# Altium PCB 电解模块主控板_V1.1_ZM_20211015.PcbDoc (part 2 of 4) (continued)
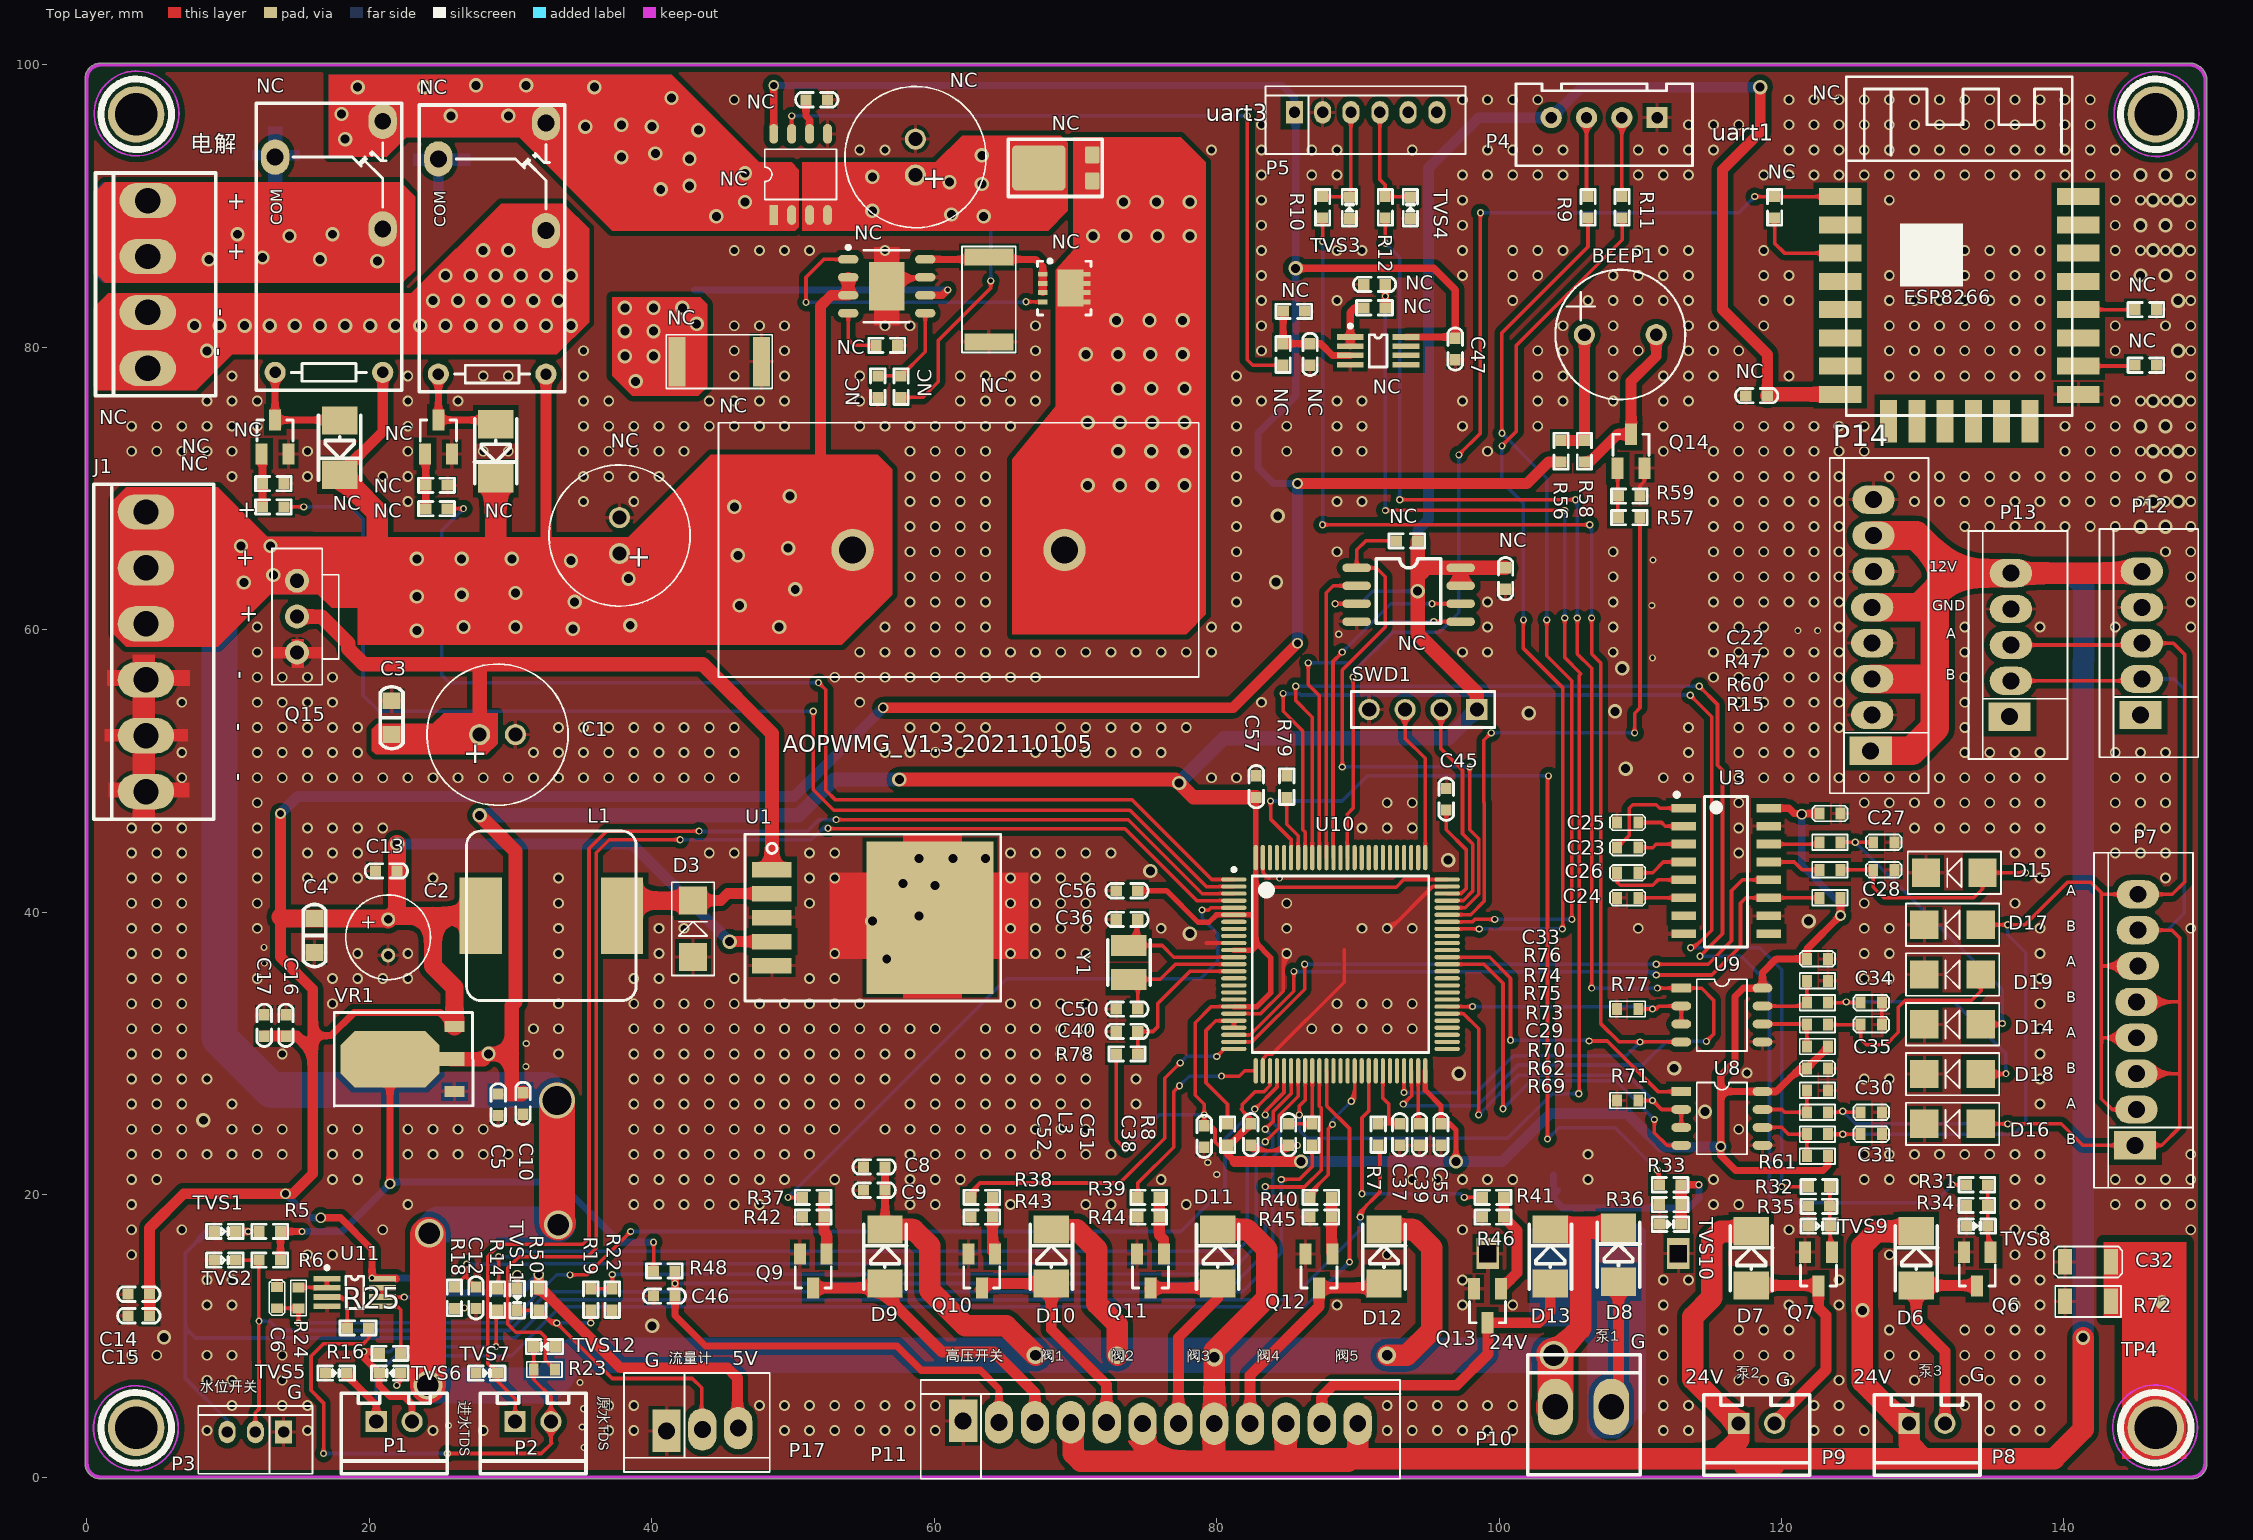
[diagram p0: Top Layer view]
## Nets (pads, with @x,y where several pads share a name; then routed paths per layer and width w, separated by ;. In a path a pad name is that pad's centre, name@x,y a point inside that pad or via, vN(x,y) a via of type N, cw(c..) or ccw(c..) an arc to the next point about the centre after c; other vN are vias at no path point) (continued)
  other v2: 5.461,9.906 40.03,10.719 8.255,25.273 114.579,25.883 97.155,28.575 112.395,28.956 56.642,36.703 78.105,38.481 55.626,39.37 121.92,39.37 58.928,39.751 60.071,41.91 57.785,42.037 75.311,42.926 96.393,43.688 58.928,43.815 61.341,43.815 63.627,43.815 108.966,50.165 102.108,54.102 108.204,54.229 108.712,57.277 84.201,63.373 145.415,67.31 147.193,67.31 84.328,68.072 146.304,69.088 148.082,69.088 147.193,70.866 146.304,72.644 148.082,72.644 145.415,74.422 147.193,74.422 146.304,76.2 148.082,76.2 148.082,79.756 148.082,83.312 145.415,85.09 147.193,85.09 146.304,86.868 148.082,86.868 145.415,88.646 147.193,88.646 146.304,90.424 148.082,90.424 145.415,92.202 147.193,92.202
  other v3: 35.204,2.108 35.077,3.556 25.603,3.658 35.179,4.851 34.925,6.706 80.01,21.438 79.375,22.276 31.09,29.083 31.115,30.709 12.573,36.398 12.548,37.516 84.455,42.418 110.871,58.014 88.646,59.69 121.158,59.944 122.555,59.944 110.82,61.722 110.896,64.948
J3-2: C28.1 D15.1 R60.2 | length 19.9
  Top Layer w0.254: R60.2@124.182,43.011 C28.1@126.492,43.011 126.492,41.783 127.254,41.021 133.604,41.021 134.239,41.656 ; R60.2@124.34,42.853 cw(c124.72,42.472) 124.72,43.011 cw(c124.72,43.549) R60.2@124.34,43.168 ; C28.1@126.334,42.778 cw(c125.954,42.397) 126.492,42.397 cw(c127.03,42.397) C28.1@126.65,42.778 ; C28.1@126.334,42.853 ccw(c125.954,42.472) 125.954,43.011 ccw(c125.954,43.549) C28.1@126.334,43.168 ; D15.1@134.009,41.957 cw(c133.927,41.656) 134.239,41.656 ; D15.1@134.469,41.957 ccw(c134.551,41.656) 134.239,41.656 ; v3@137.197,42.709 ccw(c136.98,42.492) 136.98,42.799 ccw(c136.98,43.106) v3@137.197,42.889 ; v3(137.287,42.799) D15.1@134.239,42.799 134.239,41.656
J3-3: C27.1 D14.1 R47.2 | length 27.9
  Top Layer w0.254: R47.2@124.182,44.958 C27.1@126.492,44.958 ; R47.2@124.34,44.8 cw(c124.72,44.42) 124.72,44.958 cw(c124.72,45.496) R47.2@124.34,45.116 ; v3@125.132,44.868 ccw(c124.915,44.651) 124.915,44.958 ccw(c124.915,45.265) v3@125.132,45.048 ; v3@125.312,44.868 cw(c125.529,44.651) 125.529,44.958 cw(c125.529,45.265) v3@125.312,45.048 ; C27.1@126.334,44.8 ccw(c125.954,44.42) 125.954,44.958 ccw(c125.954,45.496) C27.1@126.334,45.116 ; D14.1@134.112,32.067 v3@135.572,32.067 ; D14.1@134.657,31.774 cw(c135.148,31.511) 135.148,32.067 cw(c135.148,32.624) D14.1@134.657,32.361 ; D14.1@134.881,31.654 cw(c135.572,31.282) v3@135.572,32.067 ; D14.1@134.881,32.481 ccw(c135.572,32.853) v3@135.572,32.067 ; 135.176,32.067 ccw(c135.176,32.591) v3@135.546,32.221 ; v3(135.636,32.131) v3@135.572,32.067
  Bottom Layer w0.254: v3@125.222,44.831 cw(c125.222,44.524) 125.439,44.741 cw(c125.656,44.958) v3@125.349,44.958 ; v3(125.222,44.958) 135.636,34.544 v3(135.636,32.131) ; v3@135.546,32.221 ccw(c135.329,32.438) 135.636,32.438 ccw(c135.943,32.438) v3@135.726,32.221
J3-4: C31.1 D17.1 P7.2 P7.4 P7.6 P7.8 P12.3 P13.3 R69.2 | length 113.4
  Top Layer w0.254: R69.2@123.293,24.285 v3(124.333,24.285) C31.1@125.603,24.285 ; R69.2@123.451,24.128 cw(c123.831,23.747) 123.831,24.285 cw(c123.831,24.824) R69.2@123.451,24.443 ; v3@124.243,24.195 ccw(c124.026,23.979) 124.026,24.285 ccw(c124.026,24.592) v3@124.243,24.375 ; v3@124.423,24.195 cw(c124.64,23.979) 124.64,24.285 cw(c124.64,24.592) v3@124.423,24.375 ; C31.1@125.445,24.128 ccw(c125.065,23.747) 125.065,24.285 ccw(c125.065,24.824) C31.1@125.445,24.443 ; D17.1@134.112,39.116 v3(136.017,39.116) 137.236,39.116 140.233,42.113 141.935,42.113 142.646,41.402 142.646,31.013 ; v3@135.927,39.026 ccw(c135.71,38.809) 135.71,39.116 ccw(c135.71,39.423) v3@135.927,39.206 ; v3@136.107,39.026 cw(c136.324,38.809) 136.324,39.116 cw(c136.324,39.423) v3@136.107,39.206 ; P13.3@136.244,58.928 145.388,58.928 P12.3@145.515,59.055 147.752,59.055 148.565,58.242 148.565,42.164 147.676,41.275 P7.8@145.234,41.275 142.773,41.275 ; P7.2@143.809,25.75 ccw(c143.408,25.611) 143.408,26.035 ; P7.2@143.809,26.32 cw(c143.408,26.459) 143.408,26.035 ; P7.4@143.968,30.55 ccw(c142.748,29.515) 142.748,31.115 ; P7.4@143.968,31.68 cw(c142.748,32.715) 142.748,31.115 ; P7.6@144.102,35.593 ccw(c142.697,34.256) 142.697,36.195 ; P7.6@144.102,36.797 cw(c142.697,38.134) 142.697,36.195 ; P7.4@144.162,30.714 ccw(c143.297,29.98) 143.297,31.115 ccw(c143.297,32.25) P7.4@144.162,31.516 ; P7.6@144.286,35.768 ccw(c143.29,34.82) 143.29,36.195 ccw(c143.29,37.57) P7.6@144.286,36.622 ; P7.2@145.134,26.035 143.408,26.035 ; P7.4@145.134,31.115 142.748,31.115 ; P7.6@145.234,36.195 142.697,36.195 ; 142.646,31.013 142.748,31.115 ; 142.646,31.013 142.646,26.797 143.408,26.035
  Bottom Layer w0.254: v3(124.333,24.285) 136.426,24.285 137.287,25.146 137.287,37.135 136.017,38.405 v3(136.017,39.116) ; v3@124.423,24.195 cw(c124.64,23.979) 124.64,24.285 cw(c124.64,24.592) v3@124.423,24.375 ; v3@135.927,39.026 cw(c135.71,38.809) 136.017,38.809 cw(c136.324,38.809) v3@136.107,39.026
J3-7: C35.1 D19.1 R75.2 | length 19.2
  Top Layer w0.254: R75.2@123.293,32.046 C35.1@125.603,32.046 125.603,31.03 126.026,30.607 127.381,30.607 128.27,31.496 128.27,33.274 128.778,33.782 133.477,33.782 134.112,34.417 ; R75.2@123.451,31.889 cw(c123.831,31.508) 123.831,32.046 cw(c123.831,32.585) R75.2@123.451,32.204 ; C35.1@125.445,31.814 cw(c125.065,31.433) 125.603,31.433 cw(c126.141,31.433) C35.1@125.761,31.814 ; C35.1@125.445,31.889 ccw(c125.065,31.508) 125.065,32.046 ccw(c125.065,32.585) C35.1@125.445,32.204 ; D19.1@133.86,34.756 cw(c133.758,34.417) 134.112,34.417 ; D19.1@134.112,35.592 134.112,34.417 ; D19.1@134.364,34.756 ccw(c134.466,34.417) 134.112,34.417
J3-8: C34.1 D18.1 R74.2 | length 26.2
  Top Layer w0.254: R74.2@123.293,33.599 C34.1@125.603,33.599 ; R74.2@123.451,33.441 cw(c123.831,33.06) 123.831,33.599 cw(c123.831,34.137) R74.2@123.451,33.756 ; 124.144,33.599 ccw(c124.144,34.098) v3@124.497,33.745 ; v3@124.677,33.745 ccw(c125.03,34.098) 125.03,33.599 ; C34.1@125.445,33.441 ccw(c125.065,33.06) 125.065,33.599 ccw(c125.065,34.137) C34.1@125.445,33.756 ; D18.1@134.112,28.543 v3@135.858,28.543 ; D18.1@134.607,28.172 cw(c135.35,27.615) 135.35,28.543 cw(c135.35,29.472) D18.1@134.607,28.915 ; D18.1@134.81,28.019 cw(c135.858,27.233) v3@135.858,28.543 ; D18.1@134.81,29.067 ccw(c135.858,29.853) v3@135.858,28.543 ; 135.507,28.543 ccw(c135.507,28.958) v3@135.8,28.665 ; v3(135.89,28.575) v3@135.858,28.543
  Bottom Layer w0.254: v3(124.587,33.655) 132.207,33.655 135.89,29.972 v3(135.89,28.575) ; v3@124.677,33.565 cw(c124.894,33.348) 124.894,33.655 cw(c124.894,33.962) v3@124.677,33.745 ; v3@135.8,28.665 ccw(c135.583,28.882) 135.89,28.882 ccw(c136.197,28.882) v3@135.98,28.665
J3-9: C30.1 D16.1 P7.1 P7.3 P7.5 P7.7 P12.2 P13.2 R62.2 | length 101.9
  Top Layer w0.254: R62.2@123.293,25.837 C30.1@125.603,25.837 ; R62.2@123.451,25.68 cw(c123.831,25.299) 123.831,25.837 cw(c123.831,26.376) R62.2@123.451,25.995 ; 123.856,25.837 ccw(c123.856,26.385) v3@124.243,25.998 ; v3@124.423,25.998 ccw(c124.81,26.385) 124.81,25.837 ; C30.1@125.445,25.68 ccw(c125.065,25.299) 125.065,25.837 ccw(c125.065,26.376) C30.1@125.445,25.995 ; D16.1@134.112,25.019 v3(136.017,25.019) 139.802,25.019 141.326,23.495 P7.1@145.034,23.495 146.914,23.495 ; v3@135.927,24.929 ccw(c135.71,24.712) 135.71,25.019 ccw(c135.71,25.326) v3@135.927,25.109 ; v3@136.107,24.929 cw(c136.324,24.712) 136.324,25.019 cw(c136.324,25.326) v3@136.107,25.109 ; P13.2@136.244,56.388 145.388,56.388 P12.2@145.515,56.515 ; P7.3@145.134,28.575 148.158,28.575 148.184,28.6 ; P7.5@145.134,33.655 148.158,33.655 148.184,33.63 ; P7.7@145.234,38.735 147.65,38.735 148.184,38.202 148.184,33.63 ; P7.3@146.072,28.137 cw(c147.128,27.081) 147.128,28.575 cw(c147.128,30.069) P7.3@146.072,29.013 ; P7.5@146.072,33.217 cw(c147.128,32.161) 147.128,33.655 cw(c147.128,35.149) P7.5@146.072,34.093 ; P7.3@146.251,27.958 cw(c147.742,26.467) 147.742,28.575 cw(c147.742,30.683) P7.3@146.251,29.192 ; P7.5@146.251,33.038 cw(c147.742,31.547) 147.742,33.655 cw(c147.742,35.763) P7.5@146.251,34.272 ; P7.1@146.323,23.121 cw(c146.914,22.841) 146.914,23.495 ; P7.1@146.323,23.869 ccw(c146.914,24.149) 146.914,23.495 ; 146.914,23.495 148.184,24.765 148.184,28.6 ; 148.184,28.6 148.184,33.63
  Bottom Layer w0.254: v3@124.333,25.781 cw(c124.333,25.474) 124.55,25.691 cw(c124.767,25.908) v3@124.46,25.908 ; v3(124.333,25.908) 125.222,25.019 v3(136.017,25.019) ; v3@135.927,24.929 ccw(c135.71,24.712) 135.71,25.019 ccw(c135.71,25.326) v3@135.927,25.109 ; P7.7@145.234,38.735 147.32,38.735 148.514,39.929 148.514,55.804 147.803,56.515 P12.2@145.515,56.515
LOW: P3.3 R5.2 R7.1 TVS1.2 | length 118
  Top Layer w0.254: v3@11.52,17.309 cw(c11.737,17.092) 11.737,17.399 cw(c11.737,17.706) v3@11.52,17.489 ; R5.2@11.965,17.253 ccw(c11.684,17.055) 11.684,17.399 ; R5.2@11.965,17.545 cw(c11.684,17.743) 11.684,17.399 ; R5.2@12.192,17.399 11.684,17.399 ; v3@90.043,18.415 cw(c90.656,18.415) 90.223,18.849 ; v3@90.08,18.505 ccw(c89.863,18.722) 90.17,18.722 ccw(c90.477,18.722) v3@90.26,18.505 ; v3(90.17,18.415) 90.17,18.796 91.567,20.193 91.567,23.368 R7.1@91.44,23.495 ; v3@90.297,18.415 cw(c91.523,18.415) 90.656,19.282 ; R7.1@91.26,23.296 cw(c90.52,22.556) 91.567,22.556
  Top Layer w0.508: TVS1.2@10.541,17.399 v3(11.43,17.399)
  Bottom Layer w0.254: 7.97,16.86 6.985,15.875 6.985,10.566 ; P3.3@9.97,3.2 9.97,4 6.985,6.985 6.985,10.566 ; v3@90.08,18.325 cw(c89.863,18.108) 90.17,18.108 cw(c90.477,18.108) v3@90.26,18.325 ; v3(90.17,18.415) 90.17,17.526 85.217,12.573 33.045,12.573 30.328,9.855 7.696,9.855 6.985,10.566
  Bottom Layer w0.508: 7.97,16.86 8.509,17.399 v3(11.43,17.399)
NetBEEP1_1: BEEP1.1 R56.1 R58.2 | length 10.4
  Top Layer w0.762: R56.1@104.394,73.406 R58.2@106.045,73.406 BEEP1.1@106.045,80.772 ; BEEP1.1@105.784,80.638 cw(c105.154,80.008) 106.045,80.008 cw(c106.936,80.008) BEEP1.1@106.306,80.638
NetBEEP1_2: BEEP1.2 Q14.3 R58.1 | length 13.9
  Top Layer w0.762: R58.1@106.045,71.882 106.426,71.882 108.388,73.844 Q14.3@109.347,73.844 109.347,77.597 111.125,79.375 BEEP1.2@111.125,80.772 ; R58.1@106.045,71.901 ccw(c106.045,72.867) 106.728,72.184 ; BEEP1.2@110.864,80.638 cw(c110.234,80.008) 111.125,80.008 cw(c112.016,80.008) BEEP1.2@111.386,80.638
NetC6_2: C6.2 R24.1 U10.29 | length 88.3
  Top Layer w0.254: C6.2@13.462,11.962 14.962,11.962 R24.1@14.986,11.938 v3(14.986,10.922) ; C6.2@13.695,11.804 cw(c14.075,11.424) 14.075,11.962 cw(c14.075,12.5) C6.2@13.695,12.12 ; 14.315,11.962 cw(c14.315,11.342) R24.1@14.753,11.78 ; 14.431,11.962 ccw(c14.431,12.418) R24.1@14.753,12.096 ; R24.1@14.828,11.78 cw(c14.448,11.4) 14.986,11.4 cw(c15.524,11.4) R24.1@15.144,11.78 ; v3@14.896,11.012 ccw(c14.679,11.229) 14.986,11.229 ccw(c15.293,11.229) v3@15.076,11.012 ; v3(34.214,14.326) 35.433,14.326 v3(38.506,17.399) ; v3@34.304,14.236 cw(c34.52,14.019) 34.52,14.326 cw(c34.52,14.632) v3@34.304,14.415 ; v3@38.379,17.399 cw(c38.073,17.399) 38.29,17.182 cw(c38.506,16.965) v3@38.506,17.272 ; v3(82.702,26.06) 84.273,27.631 U10.29@84.273,28.772 ; v3@82.702,26.187 ccw(c82.702,26.494) 82.919,26.277 ccw(c83.136,26.06) v3@82.829,26.06
  Bottom Layer w0.254: v3(14.986,10.922) 29.883,10.922 33.287,14.326 v3(34.214,14.326) ; v3@15.076,10.832 cw(c15.293,10.615) 15.293,10.922 cw(c15.293,11.229) v3@15.076,11.012 ; v3@34.124,14.236 ccw(c33.907,14.019) 33.907,14.326 ccw(c33.907,14.632) v3@34.124,14.415 ; v3(38.506,17.399) 77.47,17.399 80.594,20.523 80.594,23.952 v3(82.702,26.06) ; v3@38.596,17.309 cw(c38.813,17.092) 38.813,17.399 cw(c38.813,17.706) v3@38.596,17.489 ; v3@82.575,26.06 cw(c82.269,26.06) 82.486,25.844 cw(c82.702,25.627) v3@82.702,25.933
NetC12_2: C12.2 R18.1 U10.31 | length 74.7
  Top Layer w0.254: R18.1@26.035,13.462 26.899,14.326 ; v3@26.809,14.998 cw(c26.592,14.781) 26.899,14.781 cw(c27.205,14.781) v3@26.988,14.998 ; v3(26.899,15.088) 26.899,14.326 ; C12.2@27.559,13.462 26.899,14.122 26.899,14.326 ; v3(83.439,24.638) 84.023,25.222 84.023,25.908 85.273,27.158 U10.31@85.273,28.772 ; v3@83.439,24.765 ccw(c83.439,25.072) 83.656,24.855 ccw(c83.873,24.638) v3@83.566,24.638
  Bottom Layer w0.254: v3(26.899,15.088) 31.471,15.088 31.496,15.113 80.518,15.113 82.804,17.399 82.804,22.225 83.972,23.393 83.972,24.105 v3(83.439,24.638) ; v3@26.988,14.998 cw(c27.205,14.781) 27.205,15.088 cw(c27.205,15.394) v3@26.988,15.177 ; v3@83.439,24.511 cw(c83.439,24.204) 83.656,24.421 cw(c83.873,24.638) v3@83.566,24.638
NetC23_1: C23.1 U3.1 | length 8.7
  Top Layer w0.254: C23.1@108.355,44.577 109.22,45.442 109.22,47.371 109.474,47.625 111.125,47.625 111.379,47.371 U3.1@113.068,47.371 ; C23.1@108.355,44.875 ccw(c108.355,45.594) 108.864,45.086 ; C23.1@108.578,44.652 cw(c108.935,44.652) C23.1@108.683,44.905 ; U3.1@112.384,47.245 ccw(c112.08,46.942) 112.08,47.371 ccw(c112.08,47.8) U3.1@112.384,47.497
NetC23_2: C23.2 U3.3 | length 4.8
  Top Layer w0.254: C23.2@109.855,44.577 110.871,44.577 111.125,44.831 U3.3@113.068,44.831 ; C23.2@110.013,44.419 cw(c110.393,44.039) 110.393,44.577 cw(c110.393,45.115) C23.2@110.013,44.735 ; U3.3@112.384,44.705 ccw(c112.08,44.402) 112.08,44.831 ccw(c112.08,45.26) U3.3@112.384,44.957
NetC24_1: C24.1 U3.6 | length 4.7
  Top Layer w0.254: C24.1@109.855,41.021 U3.6@113.068,41.021 ; C24.1@110.013,40.863 cw(c110.393,40.483) 110.393,41.021 cw(c110.393,41.559) C24.1@110.013,41.179 ; U3.6@112.384,40.895 ccw(c112.08,40.592) 112.08,41.021 ccw(c112.08,41.45) U3.6@112.384,41.147
NetC25_1: C25.1 U3.2 | length 4.8
  Top Layer w0.254: C25.1@109.855,46.355 111.506,46.355 111.76,46.101 U3.2@113.068,46.101 ; C25.1@110.013,46.197 cw(c110.393,45.817) 110.393,46.355 cw(c110.393,46.893) C25.1@110.013,46.513 ; U3.2@112.384,45.975 ccw(c112.08,45.672) 112.08,46.101 ccw(c112.08,46.53) U3.2@112.384,46.227
NetC26_1: C26.1 U3.5 | length 7.1
  Top Layer w0.254: C26.1@108.197,42.566 cw(c107.817,42.186) 108.355,42.186 cw(c108.893,42.186) C26.1@108.513,42.566 ; C26.1@108.355,42.799 108.355,42.14 108.585,41.91 110.871,41.91 111.252,42.291 U3.5@113.068,42.291 ; U3.5@112.384,42.165 ccw(c112.08,41.862) 112.08,42.291 ccw(c112.08,42.72) U3.5@112.384,42.417
NetC26_2: C26.2 U3.4 | length 5
  Top Layer w0.254: C26.2@109.855,42.799 110.871,42.799 111.633,43.561 U3.4@113.068,43.561 ; C26.2@110.013,42.641 cw(c110.393,42.261) 110.393,42.799 cw(c110.393,43.337) C26.2@110.013,42.957 ; U3.4@112.384,43.435 ccw(c112.08,43.132) 112.08,43.561 ccw(c112.08,43.99) U3.4@112.384,43.687
NetC32_2: C32.2 pad.0@146.5,3.5 R72.2 TP4.1
NetC36_1: C36.1 U10.12 Y1.2 | length 13.3
  Top Layer w0.254: Y1.2@73.846,38.09 ccw(c72.457,39.479) C36.1@74.422,39.479 ; Y1.2@74.026,37.91 ccw(c73.07,38.866) 74.422,38.866 ; C36.1@74.242,39.317 cw(c73.809,38.884) 74.422,38.884 cw(c75.035,38.884) C36.1@74.602,39.317 ; 74.422,38.827 ccw(c75.465,38.827) Y1.2@74.728,38.09 ; C36.1@74.422,39.497 74.422,37.776 74.549,37.649 76.143,37.649 76.97,36.822 U10.12@81.223,36.822
NetC37_2: C37.2 R7.2 U10.44 | length 7.4
  Top Layer w0.254: R7.2@91.44,25.019 92.202,25.019 ; R7.2@91.62,24.839 cw(c92.053,24.406) 92.053,25.019 cw(c92.053,25.632) R7.2@91.62,25.199 ; U10.44@91.773,28.772 91.773,26.845 92.202,26.416 92.202,25.019 ; C37.2@92.784,24.839 ccw(c92.351,24.406) 92.351,25.019 ccw(c92.351,25.632) C37.2@92.784,25.199 ; C37.2@92.964,25.019 92.202,25.019
NetC38_2: C38.2 R8.2 U10.34 | length 8.3
  Top Layer w0.254: C38.2@85.09,25.019 R8.2@86.741,25.019 86.773,25.051 U10.34@86.773,28.772 ; C38.2@85.27,24.839 cw(c85.703,24.406) 85.703,25.019 cw(c85.703,25.632) C38.2@85.27,25.199 ; R8.2@86.561,24.839 ccw(c86.128,24.406) 86.128,25.019 ccw(c86.128,25.632) R8.2@86.561,25.199 ; R8.2@86.561,25.218 ccw(c86.051,25.728) 86.773,25.728 ; 86.773,25.574 ccw(c87.277,25.574) R8.2@86.921,25.218
NetC39_2: C39.2 U10.49 | length 4.8
  Top Layer w0.254: C39.2@94.181,25.218 ccw(c93.96,25.439) 94.273,25.439 ; 94.273,25.864 ccw(c95.187,25.864) C39.2@94.541,25.218 ; U10.49@94.273,28.772 94.273,25.107 C39.2@94.361,25.019
NetC40_2: C40.2 R78.1 U10.14 | length 14
  Top Layer w0.254: R78.1@74.242,30.152 ccw(c73.809,30.585) 74.422,30.585 ccw(c75.035,30.585) R78.1@74.602,30.152 ; C40.2@74.242,31.38 cw(c73.809,30.946) 74.422,30.946 cw(c75.035,30.946) C40.2@74.602,31.38 ; R78.1@74.422,29.972 C40.2@74.422,31.559 75.501,31.559 75.819,31.877 75.819,33.528 78.113,35.822 U10.14@81.223,35.822 ; C40.2@74.621,31.38 cw(c75.054,30.946) 75.054,31.559 cw(c75.054,32.173) C40.2@74.621,31.739
NetC45_2: C45.2 U10.73 | length 9.1
  Top Layer w0.254: C45.2@96.086,47.045 cw(c95.653,46.612) 96.266,46.612 cw(c96.879,46.612) C45.2@96.446,47.045 ; C45.2@96.266,47.244 96.266,45.847 97.663,44.45 97.663,41.656 97.329,41.322 U10.73@96.323,41.322 ; U10.73@97.073,41.345 ccw(c97.073,42.019) 97.549,41.542
NetC46_2: C46.2 P11.2 R48.1 U10.30 | length 88.5
  Top Layer w0.254: v3(83.439,25.654) 83.439,25.899 84.773,27.233 U10.30@84.773,28.772
  Top Layer w0.508: R48.1@41.656,14.605 v3(41.656,13.716) C46.2@41.656,12.827 41.656,11.455 43.815,9.296 57.353,9.296 59.08,7.569 63.271,7.569 64.592,6.248 P11.2@64.592,3.888
  Bottom Layer w0.254: v3(41.656,13.716) 81.28,13.716 83.972,16.408 83.972,22.631 84.455,23.114 84.455,24.638 v3(83.439,25.654) ; v3@41.746,13.626 cw(c41.963,13.409) 41.963,13.716 cw(c41.963,14.023) v3@41.746,13.806 ; v3@83.439,25.527 cw(c83.439,25.22) 83.656,25.437 cw(c83.873,25.654) v3@83.566,25.654
NetC50_1: C50.1 U10.13 Y1.1 | length 11.2
  Top Layer w0.254: C50.1@74.242,33.327 ccw(c73.809,33.76) 74.422,33.76 ccw(c75.035,33.76) C50.1@74.602,33.327 ; C50.1@74.422,33.147 74.422,34.614 Y1.1@73.787,35.249 76.016,35.249 77.089,36.322 U10.13@81.223,36.322
NetD3_2: D3.2 L1.1 U1.2 | length 16.9
  Top Layer w0.762: L1.1@37.893,39.751 L1.1@38.972,40.83 ; D3.2@42.926,40.83 44.894,40.83 45.388,41.324 U1.2@48.514,41.324 ; D3.2@43.364,40.392 cw(c44.42,39.336) 44.42,40.83 cw(c44.42,42.324) D3.2@43.364,41.268
  Top Layer w1.27: L1.1@38.505,40.339 cw(c39.689,39.155) 39.689,40.83 ; L1.1@38.505,41.563 ccw(c40.273,43.331) 40.273,40.83 ; L1.1@38.972,40.83 D3.2@42.926,40.83
NetD6_1: D6.1 P8.2 Q6.3 | length 21
  Top Layer w0.762: D6.1@129.102,13.141 cw(c128.046,12.085) 129.54,12.085 cw(c131.034,12.085) D6.1@129.978,13.141 ; D6.1@130.228,13.141 cw(c131.284,12.085) 131.284,13.579 cw(c131.284,15.073) D6.1@130.228,14.017 ; P8.2@131.311,4.071 ccw(c130.681,4.701) 131.572,4.701 ccw(c132.463,4.701) P8.2@131.833,4.071 ; P8.2@131.572,3.81 131.572,8.915 129.54,10.947 D6.1@129.54,13.579 133.811,13.579 Q6.3@133.858,13.532
NetD7_1: D7.1 P9.2 Q7.3 | length 18.6
  Top Layer w0.762: D7.1@117.856,13.579 122.571,13.579 Q7.3@122.618,13.532 122.618,12.002 123.158,11.462 123.158,7.588 119.507,3.937 P9.2@119.507,3.81 ; D7.1@118.544,13.141 cw(c119.6,12.085) 119.6,13.579 cw(c119.6,15.073) D7.1@118.544,14.017
NetD8_1: D8.1 P10.2 Q8.3 | length 13
  Top Layer w0.762: P10.2@107.315,3.937 107.315,5.182 108.458,6.325 D8.1@108.458,13.833 D8.1@108.632,13.659 ; D8.1@108.02,13.395 cw(c106.964,12.339) 108.458,12.339 cw(c109.952,12.339) D8.1@108.896,13.395
NetL3_2: L3.2 U10.21 U10.22 | length 11
  Top Layer w0.254: L3.2@80.592,25.218 ccw(c80.159,25.651) 80.772,25.651 ccw(c81.385,25.651) L3.2@80.952,25.218 ; L3.2@80.772,25.019 80.772,26.416 79.248,27.94 79.248,31.623 79.947,32.322 U10.21@81.223,32.322 U10.22@81.223,31.822
NetNC_1: NC.1@50.927,97.536 NC.6@51.181,95.123 | length 2.5
  Top Layer w0.508: NC.1@50.927,97.536 50.927,96.393 51.181,96.139 NC.6@51.181,95.123
NetNC_1: NC.1@84.709,80.264 NC.1@86.614,80.264 NC.2@84.709,82.55 NC.3@89.465,79.431 | length 7.4
  Top Layer w0.508: NC.2@84.709,82.55 NC.1@84.709,80.264 NC.1@86.614,80.264 87.376,80.264 88.209,79.431 NC.3@89.465,79.431
NetNC_1: NC.1@17.907,74.813 NC.3@13.335,74.86 NC.4@13.335,78.232 | length 8
  Top Layer w0.508: NC.4@13.335,78.232 NC.3@13.335,74.86 17.86,74.86 NC.1@17.907,74.813
NetNC_1: NC.1@28.956,74.559 NC.3@24.892,74.86 NC.4@24.892,78.105 | length 7.4
  Top Layer w0.508: NC.4@24.892,78.105 NC.3@24.892,74.86 28.655,74.86 NC.1@28.956,74.559
NetNC_1: NC.1@20.955,88.392 NC.3@4.318,86.435 NC.4@4.318,90.395
  other v2: 20.574,86.106 8.636,86.233 16.51,86.233 12.446,86.36 14.351,87.884 10.668,88.011 17.399,88.011
NetNC_1: NC.1@4.318,78.515 NC.1@32.512,88.265 NC.2@4.318,82.475
  other v2: 8.509,79.756 7.62,81.534 9.398,81.534 11.176,81.534 12.954,81.534 14.732,81.534 16.51,81.534 18.288,81.534 20.066,81.534 21.844,81.534 23.622,81.534 25.4,81.534 27.178,81.534 28.956,81.534 30.734,81.534 32.512,81.534 34.29,81.534 24.511,83.312 26.289,83.312 28.067,83.312 29.845,83.312 31.623,83.312 33.401,83.312 25.4,85.09 27.178,85.09 28.956,85.09 30.734,85.09 32.512,85.09 34.29,85.09 28.067,86.868 29.845,86.868
NetNC_1: NC.1@12.385,72.46 NC.2@12.446,68.707 NC.2@12.446,70.358 | length 4.3
  Top Layer w0.508: NC.1@12.264,72.014 cw(c11.825,71.575) 12.446,71.575 ; NC.1@12.385,72.46 12.446,72.399 NC.2@12.446,70.358 NC.2@12.446,68.707
NetNC_1: NC.1@23.942,72.46 NC.2@24.003,68.58 NC.2@24.003,70.231 | length 4.4
  Top Layer w0.508: NC.1@23.821,72.014 cw(c23.382,71.575) 24.003,71.575 ; NC.1@23.942,72.46 24.003,72.399 NC.2@24.003,70.231 NC.2@24.003,68.58
NetNC_1: NC.1@13.97,68.707 U10.2 | length 91.8
  Top Layer w0.254: NC.1@13.97,68.707 v3(15.367,68.707) ; NC.1@14.169,68.527 cw(c14.602,68.094) 14.602,68.707 cw(c14.602,69.32) NC.1@14.169,68.887 ; v3@15.277,68.617 ccw(c15.06,68.4) 15.06,68.707 ccw(c15.06,69.014) v3@15.277,68.797 ; v3@51.345,54.139 cw(c51.128,53.922) 51.435,53.922 cw(c51.742,53.922) v3@51.525,54.139 ; v3(51.435,54.229) 51.435,48.666 52.883,47.219 73.863,47.219 79.26,41.822 U10.2@81.223,41.822
  Bottom Layer w0.254: v3(15.367,68.707) 18.669,68.707 19.558,67.818 19.558,55.372 20.701,54.229 v3(51.435,54.229) ; v3@15.457,68.617 cw(c15.674,68.4) 15.674,68.707 cw(c15.674,69.014) v3@15.457,68.797 ; v3@51.345,54.139 ccw(c51.128,53.922) 51.128,54.229 ccw(c51.128,54.536) v3@51.345,54.319
NetNC_1: NC.1@25.527,68.58 U10.1 | length 82.7
  Top Layer w0.254: NC.1@25.527,68.58 v3(26.67,68.58) ; NC.1@25.726,68.4 cw(c26.159,67.967) 26.159,68.58 cw(c26.159,69.193) NC.1@25.726,68.76 ; v3@26.58,68.49 ccw(c26.363,68.273) 26.363,68.58 ccw(c26.363,68.887) v3@26.58,68.67 ; v3@51.816,56.134 cw(c51.816,55.827) 52.033,56.044 cw(c52.25,56.261) v3@51.943,56.261 ; v3(51.816,56.261) 52.324,55.753 52.324,48.641 53.01,47.955 74.016,47.955 79.649,42.322 U10.1@81.223,42.322
  Bottom Layer w0.254: v3@26.543,68.58 cw(c26.236,68.58) 26.453,68.363 cw(c26.67,68.146) v3@26.67,68.453 ; v3(26.67,68.58) 25.146,67.056 25.146,56.769 25.654,56.261 v3(51.816,56.261) ; v3@51.726,56.171 ccw(c51.509,55.954) 51.509,56.261 ccw(c51.509,56.568) v3@51.726,56.351
NetNC_1: NC.1@89.465,80.731 NC.2@89.465,80.081 NC.2@90.424,82.804 | length 4.4
  Top Layer w0.508: NC.2@89.465,80.091 NC.1@89.465,80.731 89.465,82.48 89.789,82.804 NC.2@90.424,82.804 ; 89.481,82.496 cw(c90.067,81.91) NC.2@90.36,82.685
NetNC_1: NC.1@119.507,90.678 NC.1@124.155,90.678 U10.87 | length 83.3
  Top Layer w0.254: U10.87@89.273,43.872 89.24,43.905 89.24,46.949 89.662,47.371 v3(89.662,56.642) ; v3@89.572,56.552 cw(c89.355,56.335) 89.662,56.335 cw(c89.969,56.335) v3@89.752,56.552 ; v3(97.155,72.39) 98.679,73.914 v3(98.679,89.535) ; v3@97.155,72.517 ccw(c97.155,72.824) 97.372,72.607 ccw(c97.589,72.39) v3@97.282,72.39 ; v3@98.589,89.445 cw(c98.372,89.228) 98.679,89.228 cw(c98.986,89.228) v3@98.769,89.445 ; v3(118.11,90.678) NC.1@119.507,90.678 NC.1@124.155,90.678 ; v3@118.2,90.588 cw(c118.417,90.371) 118.417,90.678 cw(c118.417,90.985) v3@118.2,90.768 ; NC.1@119.327,90.498 ccw(c118.894,90.065) 118.894,90.678 ccw(c118.894,91.291) NC.1@119.327,90.858 ; NC.1@119.687,90.498 cw(c120.12,90.065) 120.12,90.678 cw(c120.12,91.291) NC.1@119.687,90.858
  Bottom Layer w0.254: v3@89.572,56.732 ccw(c89.355,56.949) 89.662,56.949 ccw(c89.969,56.949) v3@89.752,56.732 ; v3(89.662,56.642) 89.662,57.023 92.456,59.817 95.758,59.817 97.155,61.214 v3(97.155,72.39) ; v3@97.065,72.3 cw(c96.848,72.083) 97.155,72.083 cw(c97.462,72.083) v3@97.245,72.3 ; v3(98.679,89.535) 116.967,89.535 v3(118.11,90.678) ; v3@98.769,89.445 cw(c98.986,89.228) 98.986,89.535 cw(c98.986,89.842) v3@98.769,89.625 ; v3@117.983,90.678 cw(c117.676,90.678) 117.893,90.461 cw(c118.11,90.244) v3@118.11,90.551
NetNC_1: NC.1@145.034,78.74 NC.16 | length 5
  Top Layer w0.254: NC.16@141.021,78.678 144.972,78.678 NC.1@145.034,78.74 ; 144.252,78.678 ccw(c144.252,79.503) NC.1@144.835,78.92 ; 144.551,78.678 cw(c144.551,78.276) NC.1@144.835,78.56
NetNC_1: NC.1@89.916,64.389 NC.2@92.71,66.294 U10.71 | length 46.5
  Top Layer w0.254: v3@88.81,50.382 ccw(c88.593,50.599) 88.9,50.599 ccw(c89.207,50.599) v3@88.99,50.382 ; v3(88.9,50.292) 88.9,57.15 91.948,60.198 91.948,63.754 91.313,64.389 NC.1@89.916,64.389 89.916,65.659 90.551,66.294 NC.2@92.71,66.294 ; NC.1@89.79,64.515 ccw(c89.487,64.818) 89.916,64.818 ccw(c90.345,64.818) NC.1@90.042,64.515 ; NC.1@90.753,64.263 cw(c91.056,63.96) 91.056,64.389 cw(c91.056,64.818) NC.1@90.753,64.515 ; NC.2@92.511,66.114 ccw(c92.078,65.681) 92.078,66.294 ccw(c92.078,66.907) NC.2@92.511,66.474 ; U10.71@96.323,40.322 97.599,40.322 98.552,41.275 98.552,45.212 97.917,45.847 v3(97.917,50.292) ; v3@97.827,50.202 cw(c97.61,49.985) 97.917,49.985 cw(c98.224,49.985) v3@98.007,50.202
  Bottom Layer w0.254: v3(88.9,50.292) v3(97.917,50.292) ; v3@88.99,50.202 cw(c89.207,49.985) 89.207,50.292 cw(c89.207,50.599) v3@88.99,50.382 ; v3@97.827,50.202 ccw(c97.61,49.985) 97.61,50.292 ccw(c97.61,50.599) v3@97.827,50.382
NetNC_1: NC.1@71.195,91.79 NC.1@71.195,93.63 NC.2@69.229,65.659 NC.2@69.665,84.201 NC.2@70.74,83.226 NC.2@70.74,83.876 NC.2@70.74,84.526 NC.2@70.74,85.176
  other v2: 70.866,70.231 73.152,70.231 75.438,70.231 77.724,70.231 73.025,72.644 75.374,72.644 77.724,72.644 70.866,74.676 73.152,74.676 75.438,74.676 77.724,74.676 73.025,77.089 75.374,77.089 77.724,77.089 70.739,79.502 73.025,79.502 75.311,79.502 77.597,79.502 72.898,81.915 75.248,81.915 77.597,81.915 71.247,87.884 73.533,87.884 75.819,87.884 78.105,87.884 73.406,90.297 75.755,90.297 78.105,90.297
NetNC_1: NC.1@53.917,86.233 NC.1@67.69,83.226 | length 24.5
  Top Layer w0.254: v3@50.837,83.275 ccw(c50.62,83.492) 50.927,83.492 ccw(c51.234,83.492) v3@51.017,83.275 ; v3(50.927,83.185) 50.927,84.963 52.197,86.233 NC.1@53.917,86.233 ; NC.1@53.37,86.111 ccw(c53.074,85.815) 53.074,86.233 ccw(c53.074,86.651) NC.1@53.37,86.355 ; v3(66.507,83.226) NC.1@67.69,83.226 ; v3@66.597,83.136 cw(c66.814,82.919) 66.814,83.226 cw(c66.814,83.533) v3@66.597,83.316
  Bottom Layer w0.254: v3(50.927,83.185) 66.466,83.185 v3(66.507,83.226) ; v3@51.017,83.095 cw(c51.234,82.878) 51.234,83.185 cw(c51.234,83.492) v3@51.017,83.275 ; 66.101,83.185 ccw(c66.101,83.632) v3@66.417,83.316
NetNC_1: NC.1@63.881,86.391 NC.3@67.69,83.876 NC.3@67.69,84.526 NC.3@67.69,85.176 NC.8@59.367,86.233 | length 10.4
  Top Layer w0.508: NC.8@59.367,86.233 67.183,86.233 67.69,85.726 NC.3@67.69,85.176 NC.3@67.69,84.526 NC.3@67.69,83.876
NetNC_1: NC.1@56.007,77.978 NC.2@57.658,77.978 NC.5@59.367,82.423 | length 9.4
  Top Layer w0.254: NC.1@56.007,77.978 NC.2@57.658,77.978 59.367,79.687 NC.5@59.367,82.423 ; NC.1@56.187,77.798 cw(c56.62,77.365) 56.62,77.978 cw(c56.62,78.591) NC.1@56.187,78.158 ; NC.2@57.478,77.798 ccw(c57.045,77.365) 57.045,77.978 ccw(c57.045,78.591) NC.2@57.478,78.158 ; NC.5@59.245,82.301 cw(c58.949,82.005) 59.367,82.005 cw(c59.785,82.005) NC.5@59.489,82.301
NetNC_1: NC.1@55.88,80.137 NC.4@53.917,82.423 | length 5.6
  Top Layer w0.254: NC.4@53.795,82.301 cw(c53.499,82.005) 53.917,82.005 cw(c54.335,82.005) NC.4@54.039,82.301 ; NC.4@53.917,82.423 53.917,80.576 54.356,80.137 NC.1@55.88,80.137 ; NC.1@55.681,79.957 ccw(c55.248,79.524) 55.248,80.137 ccw(c55.248,80.75) NC.1@55.681,80.317